# KiCad board untitled.kicad_pcb
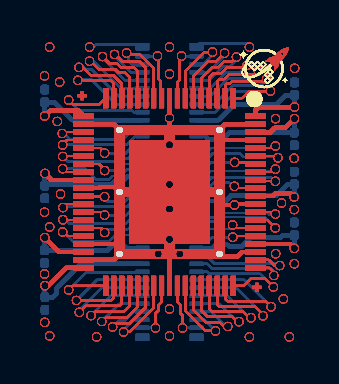
[diagram p0: board, top side]
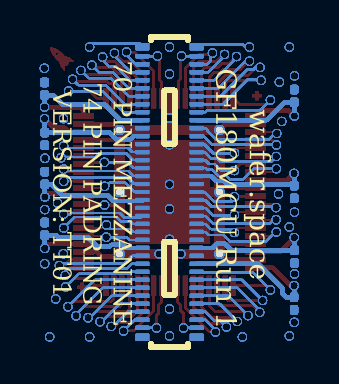
[diagram p1: board, bottom side, seen from below]

No outline. copper layers: Top, In1.Cu, In2.Cu, Bottom. Coordinates in mm from the lowest, leftmost part position.
Stack: Top 0.0175mm / dielectric 0.196mm FR4 er 4.5 / In1.Cu 0.035mm / dielectric 0.23mm FR4 er 4.5 / In2.Cu 0.035mm / dielectric 0.196mm FR4 er 4.5 / Bottom 0.0175mm

## Placement (name value [footprint] x y rotation side)
C101  C_Small  [C_0201_0603Metric]  0.02 0 270 bottom
C102  C_Small  [C_0201_0603Metric]  12.52 10.74 90 bottom
C103  C_Small  [C_0201_0603Metric]  0 2.34 270 bottom
C104  C_Small  [C_0201_0603Metric]  12.51 8.23 270 bottom
C105  C_Small  [C_0201_0603Metric]  0.01 5.58 270 bottom
C106  C_Small  [C_0201_0603Metric]  12.51 6.28 90 bottom
C107  C_Small  [C_0201_0603Metric]  0.01 10.39 90 bottom
C108  C_Small  [C_0201_0603Metric]  12.51 3.73 90 bottom
C109  C_Small  [C_0201_0603Metric]  0.02 0 270 bottom
C110  C_Small  [C_0201_0603Metric]  12.52 10.74 90 bottom
C111  C_Small  [C_0201_0603Metric]  0 2.34 270 bottom
C112  C_Small  [C_0201_0603Metric]  12.51 8.23 270 bottom
C113  C_Small  [C_0201_0603Metric]  0.01 5.58 270 bottom
C114  C_Small  [C_0201_0603Metric]  12.51 6.28 90 bottom
C115  C_Small  [C_0201_0603Metric]  0.01 10.39 90 bottom
C116  C_Small  [C_0201_0603Metric]  12.51 3.73 90 bottom
C117  C_Small  [C_0201_0603Metric]  0.02 0 270 bottom
C118  C_Small  [C_0201_0603Metric]  12.52 10.74 90 bottom
C119  C_Small  [C_0201_0603Metric]  0 2.34 270 bottom
C120  C_Small  [C_0201_0603Metric]  12.51 8.23 270 bottom
C121  C_Small  [C_0201_0603Metric]  0.01 5.58 270 bottom
C122  C_Small  [C_0201_0603Metric]  12.51 6.28 90 bottom
C123  C_Small  [C_0201_0603Metric]  0.01 10.39 90 bottom
C124  C_Small  [C_0201_0603Metric]  12.51 3.73 90 bottom
C125  C_Small  [C_0201_0603Metric]  0.02 0 270 bottom
C126  C_Small  [C_0201_0603Metric]  12.52 10.74 90 bottom
C127  C_Small  [C_0201_0603Metric]  0 2.34 270 bottom
C128  C_Small  [C_0201_0603Metric]  12.51 8.23 270 bottom
C129  C_Small  [C_0201_0603Metric]  0.01 5.58 270 bottom
C130  C_Small  [C_0201_0603Metric]  12.51 6.28 90 bottom
C131  C_Small  [C_0201_0603Metric]  0.01 10.39 90 bottom
C132  C_Small  [C_0201_0603Metric]  12.51 3.73 90 bottom
C133  C_Small  [C_0201_0603Metric]  0.02 0 270 bottom
C134  C_Small  [C_0201_0603Metric]  12.52 10.74 90 bottom
C135  C_Small  [C_0201_0603Metric]  0 2.34 270 bottom
C136  C_Small  [C_0201_0603Metric]  12.51 8.23 270 bottom
C137  C_Small  [C_0201_0603Metric]  0.01 5.58 270 bottom
C138  C_Small  [C_0201_0603Metric]  12.51 6.28 90 bottom
C139  C_Small  [C_0201_0603Metric]  0.01 10.39 90 bottom
C140  C_Small  [C_0201_0603Metric]  12.51 3.73 90 bottom
C141  C_Small  [C_0201_0603Metric]  0.02 0 270 bottom
C142  C_Small  [C_0201_0603Metric]  12.52 10.74 90 bottom
C143  C_Small  [C_0201_0603Metric]  0 2.34 270 bottom
C144  C_Small  [C_0201_0603Metric]  12.51 8.23 270 bottom
C145  C_Small  [C_0201_0603Metric]  0.01 5.58 270 bottom
C146  C_Small  [C_0201_0603Metric]  12.51 6.28 90 bottom
C147  C_Small  [C_0201_0603Metric]  0.01 10.39 90 bottom
C148  C_Small  [C_0201_0603Metric]  12.51 3.73 90 bottom
C149  C_Small  [C_0201_0603Metric]  0.02 0 270 bottom
C150  C_Small  [C_0201_0603Metric]  12.52 10.74 90 bottom
C151  C_Small  [C_0201_0603Metric]  0 2.34 270 bottom
C152  C_Small  [C_0201_0603Metric]  12.51 8.23 270 bottom
C153  C_Small  [C_0201_0603Metric]  0.01 5.58 270 bottom
C154  C_Small  [C_0201_0603Metric]  12.51 6.28 90 bottom
C155  C_Small  [C_0201_0603Metric]  0.01 10.39 90 bottom
C156  C_Small  [C_0201_0603Metric]  12.51 3.73 90 bottom
C157  C_Small  [C_0201_0603Metric]  0.02 0 270 bottom
C158  C_Small  [C_0201_0603Metric]  12.52 10.74 90 bottom
C159  C_Small  [C_0201_0603Metric]  0 2.34 270 bottom
C160  C_Small  [C_0201_0603Metric]  12.51 8.23 270 bottom
C161  C_Small  [C_0201_0603Metric]  0.01 5.58 270 bottom
C162  C_Small  [C_0201_0603Metric]  12.51 6.28 90 bottom
C163  C_Small  [C_0201_0603Metric]  0.01 10.39 90 bottom
C164  C_Small  [C_0201_0603Metric]  12.51 3.73 90 bottom
C165  C_Small  [C_0201_0603Metric]  0.02 0 270 bottom
C166  C_Small  [C_0201_0603Metric]  12.52 10.74 90 bottom
C167  C_Small  [C_0201_0603Metric]  0 2.34 270 bottom
C168  C_Small  [C_0201_0603Metric]  12.51 8.23 270 bottom
C169  C_Small  [C_0201_0603Metric]  0.01 5.58 270 bottom
C170  C_Small  [C_0201_0603Metric]  12.51 6.28 90 bottom
C171  C_Small  [C_0201_0603Metric]  0.01 10.39 90 bottom
C172  C_Small  [C_0201_0603Metric]  12.51 3.73 90 bottom
C173  C_Small  [C_0201_0603Metric]  0.02 0 270 bottom
C174  C_Small  [C_0201_0603Metric]  12.52 10.74 90 bottom
C175  C_Small  [C_0201_0603Metric]  0 2.34 270 bottom
C176  C_Small  [C_0201_0603Metric]  12.51 8.23 270 bottom
C177  C_Small  [C_0201_0603Metric]  0.01 5.58 270 bottom
C178  C_Small  [C_0201_0603Metric]  12.51 6.28 90 bottom
C179  C_Small  [C_0201_0603Metric]  0.01 10.39 90 bottom
C180  C_Small  [C_0201_0603Metric]  12.51 3.73 90 bottom
C181  C_Small  [C_0201_0603Metric]  0.02 0 270 bottom
C182  C_Small  [C_0201_0603Metric]  12.52 10.74 90 bottom
C183  C_Small  [C_0201_0603Metric]  0 2.34 270 bottom
C184  C_Small  [C_0201_0603Metric]  12.51 8.23 270 bottom
C185  C_Small  [C_0201_0603Metric]  0.01 5.58 270 bottom
C186  C_Small  [C_0201_0603Metric]  12.51 6.28 90 bottom
C187  C_Small  [C_0201_0603Metric]  0.01 10.39 90 bottom
C188  C_Small  [C_0201_0603Metric]  12.51 3.73 90 bottom
C189  C_Small  [C_0201_0603Metric]  0.02 0 270 bottom
C190  C_Small  [C_0201_0603Metric]  12.52 10.74 90 bottom
C191  C_Small  [C_0201_0603Metric]  0 2.34 270 bottom
C192  C_Small  [C_0201_0603Metric]  12.51 8.23 270 bottom
C193  C_Small  [C_0201_0603Metric]  0.01 5.58 270 bottom
C194  C_Small  [C_0201_0603Metric]  12.51 6.28 90 bottom
C195  C_Small  [C_0201_0603Metric]  0.01 10.39 90 bottom
C196  C_Small  [C_0201_0603Metric]  12.51 3.73 90 bottom
C197  C_Small  [C_0201_0603Metric]  0.02 0 270 bottom
C198  C_Small  [C_0201_0603Metric]  12.52 10.74 90 bottom
C199  C_Small  [C_0201_0603Metric]  0 2.34 270 bottom
C200  C_Small  [C_0201_0603Metric]  12.51 8.23 270 bottom
C201  C_Small  [C_0201_0603Metric]  0.01 5.58 270 bottom
C202  C_Small  [C_0201_0603Metric]  12.51 6.28 90 bottom
C203  C_Small  [C_0201_0603Metric]  0.01 10.39 90 bottom
C204  C_Small  [C_0201_0603Metric]  12.51 3.73 90 bottom
C205  C_Small  [C_0201_0603Metric]  0.02 0 270 bottom
C206  C_Small  [C_0201_0603Metric]  12.52 10.74 90 bottom
C207  C_Small  [C_0201_0603Metric]  0 2.34 270 bottom
C208  C_Small  [C_0201_0603Metric]  12.51 8.23 270 bottom
C209  C_Small  [C_0201_0603Metric]  0.01 5.58 270 bottom
C210  C_Small  [C_0201_0603Metric]  12.51 6.28 90 bottom
C211  C_Small  [C_0201_0603Metric]  0.01 10.39 90 bottom
C212  C_Small  [C_0201_0603Metric]  12.51 3.73 90 bottom
C213  C_Small  [C_0201_0603Metric]  0.02 0 270 bottom
C214  C_Small  [C_0201_0603Metric]  12.52 10.74 90 bottom
C215  C_Small  [C_0201_0603Metric]  0 2.34 270 bottom
C216  C_Small  [C_0201_0603Metric]  12.51 8.23 270 bottom
C217  C_Small  [C_0201_0603Metric]  0.01 5.58 270 bottom
C218  C_Small  [C_0201_0603Metric]  12.51 6.28 90 bottom
C219  C_Small  [C_0201_0603Metric]  0.01 10.39 90 bottom
C220  C_Small  [C_0201_0603Metric]  12.51 3.73 90 bottom
C221  C_Small  [C_0201_0603Metric]  0.02 0 270 bottom
C222  C_Small  [C_0201_0603Metric]  12.52 10.74 90 bottom
C223  C_Small  [C_0201_0603Metric]  0 2.34 270 bottom
C224  C_Small  [C_0201_0603Metric]  12.51 8.23 270 bottom
C225  C_Small  [C_0201_0603Metric]  0.01 5.58 270 bottom
C226  C_Small  [C_0201_0603Metric]  12.51 6.28 90 bottom
C227  C_Small  [C_0201_0603Metric]  0.01 10.39 90 bottom
C228  C_Small  [C_0201_0603Metric]  12.51 3.73 90 bottom
C229  C_Small  [C_0201_0603Metric]  0.02 0 270 bottom
C230  C_Small  [C_0201_0603Metric]  12.52 10.74 90 bottom
C231  C_Small  [C_0201_0603Metric]  0 2.34 270 bottom
C232  C_Small  [C_0201_0603Metric]  12.51 8.23 270 bottom
C233  C_Small  [C_0201_0603Metric]  0.01 5.58 270 bottom
C234  C_Small  [C_0201_0603Metric]  12.51 6.28 90 bottom
C235  C_Small  [C_0201_0603Metric]  0.01 10.39 90 bottom
C236  C_Small  [C_0201_0603Metric]  12.51 3.73 90 bottom
C237  C_Small  [C_0201_0603Metric]  0.02 0 270 bottom
C238  C_Small  [C_0201_0603Metric]  12.52 10.74 90 bottom
C239  C_Small  [C_0201_0603Metric]  0 2.34 270 bottom
C240  C_Small  [C_0201_0603Metric]  12.51 8.23 270 bottom
C241  C_Small  [C_0201_0603Metric]  0.01 5.58 270 bottom
C242  C_Small  [C_0201_0603Metric]  12.51 6.28 90 bottom
C243  C_Small  [C_0201_0603Metric]  0.01 10.39 90 bottom
C244  C_Small  [C_0201_0603Metric]  12.51 3.73 90 bottom
C245  C_Small  [C_0201_0603Metric]  0.02 0 270 bottom
C246  C_Small  [C_0201_0603Metric]  12.52 10.74 90 bottom
C247  C_Small  [C_0201_0603Metric]  0 2.34 270 bottom
C248  C_Small  [C_0201_0603Metric]  12.51 8.23 270 bottom
C249  C_Small  [C_0201_0603Metric]  0.01 5.58 270 bottom
C250  C_Small  [C_0201_0603Metric]  12.51 6.28 90 bottom
C251  C_Small  [C_0201_0603Metric]  0.01 10.39 90 bottom
C252  C_Small  [C_0201_0603Metric]  12.51 3.73 90 bottom
C253  C_Small  [C_0201_0603Metric]  0.02 0 270 bottom
C254  C_Small  [C_0201_0603Metric]  12.52 10.74 90 bottom
C255  C_Small  [C_0201_0603Metric]  0 2.34 270 bottom
C256  C_Small  [C_0201_0603Metric]  12.51 8.23 270 bottom
C257  C_Small  [C_0201_0603Metric]  0.01 5.58 270 bottom
C258  C_Small  [C_0201_0603Metric]  12.51 6.28 90 bottom
C259  C_Small  [C_0201_0603Metric]  0.01 10.39 90 bottom
C260  C_Small  [C_0201_0603Metric]  12.51 3.73 90 bottom
C261  C_Small  [C_0201_0603Metric]  0.02 0 270 bottom
C262  C_Small  [C_0201_0603Metric]  12.52 10.74 90 bottom
C263  C_Small  [C_0201_0603Metric]  0 2.34 270 bottom
C264  C_Small  [C_0201_0603Metric]  12.51 8.23 270 bottom
C265  C_Small  [C_0201_0603Metric]  0.01 5.58 270 bottom
C266  C_Small  [C_0201_0603Metric]  12.51 6.28 90 bottom
C267  C_Small  [C_0201_0603Metric]  0.01 10.39 90 bottom
C268  C_Small  [C_0201_0603Metric]  12.51 3.73 90 bottom
C269  C_Small  [C_0201_0603Metric]  0.02 0 270 bottom
C270  C_Small  [C_0201_0603Metric]  12.52 10.74 90 bottom
C271  C_Small  [C_0201_0603Metric]  0 2.34 270 bottom
C272  C_Small  [C_0201_0603Metric]  12.51 8.23 270 bottom
C273  C_Small  [C_0201_0603Metric]  0.01 5.58 270 bottom
C274  C_Small  [C_0201_0603Metric]  12.51 6.28 90 bottom
C275  C_Small  [C_0201_0603Metric]  0.01 10.39 90 bottom
C276  C_Small  [C_0201_0603Metric]  12.51 3.73 90 bottom
C277  C_Small  [C_0201_0603Metric]  0.02 0 270 bottom
C278  C_Small  [C_0201_0603Metric]  12.52 10.74 90 bottom
C279  C_Small  [C_0201_0603Metric]  0 2.34 270 bottom
C280  C_Small  [C_0201_0603Metric]  12.51 8.23 270 bottom
C281  C_Small  [C_0201_0603Metric]  0.01 5.58 270 bottom
C282  C_Small  [C_0201_0603Metric]  12.51 6.28 90 bottom
C283  C_Small  [C_0201_0603Metric]  0.01 10.39 90 bottom
C284  C_Small  [C_0201_0603Metric]  12.51 3.73 90 bottom
C285  C_Small  [C_0201_0603Metric]  0.02 0 270 bottom
C286  C_Small  [C_0201_0603Metric]  12.52 10.74 90 bottom
C287  C_Small  [C_0201_0603Metric]  0 2.34 270 bottom
C288  C_Small  [C_0201_0603Metric]  12.51 8.23 270 bottom
C289  C_Small  [C_0201_0603Metric]  0.01 5.58 270 bottom
C290  C_Small  [C_0201_0603Metric]  12.51 6.28 90 bottom
C291  C_Small  [C_0201_0603Metric]  0.01 10.39 90 bottom
C292  C_Small  [C_0201_0603Metric]  12.51 3.73 90 bottom
C293  C_Small  [C_0201_0603Metric]  0.02 0 270 bottom
C294  C_Small  [C_0201_0603Metric]  12.52 10.74 90 bottom
C295  C_Small  [C_0201_0603Metric]  0 2.34 270 bottom
C296  C_Small  [C_0201_0603Metric]  12.51 8.23 270 bottom
C297  C_Small  [C_0201_0603Metric]  0.01 5.58 270 bottom
C298  C_Small  [C_0201_0603Metric]  12.51 6.28 90 bottom
C299  C_Small  [C_0201_0603Metric]  0.01 10.39 90 bottom
C300  C_Small  [C_0201_0603Metric]  12.51 3.73 90 bottom
C301  C_Small  [C_0201_0603Metric]  0.02 0 270 bottom
C302  C_Small  [C_0201_0603Metric]  12.52 10.74 90 bottom
C303  C_Small  [C_0201_0603Metric]  0 2.34 270 bottom
C304  C_Small  [C_0201_0603Metric]  12.51 8.23 270 bottom
C305  C_Small  [C_0201_0603Metric]  0.01 5.58 270 bottom
C306  C_Small  [C_0201_0603Metric]  12.51 6.28 90 bottom
C307  C_Small  [C_0201_0603Metric]  0.01 10.39 90 bottom
C308  C_Small  [C_0201_0603Metric]  12.51 3.73 90 bottom
C309  C_Small  [C_0201_0603Metric]  0.02 0 270 bottom
C310  C_Small  [C_0201_0603Metric]  12.52 10.74 90 bottom
C311  C_Small  [C_0201_0603Metric]  0 2.34 270 bottom
C312  C_Small  [C_0201_0603Metric]  12.51 8.23 270 bottom
C313  C_Small  [C_0201_0603Metric]  0.01 5.58 270 bottom
C314  C_Small  [C_0201_0603Metric]  12.51 6.28 90 bottom
C315  C_Small  [C_0201_0603Metric]  0.01 10.39 90 bottom
C316  C_Small  [C_0201_0603Metric]  12.51 3.73 90 bottom
C317  C_Small  [C_0201_0603Metric]  0.02 0 270 bottom
C318  C_Small  [C_0201_0603Metric]  12.52 10.74 90 bottom
C319  C_Small  [C_0201_0603Metric]  0 2.34 270 bottom
C320  C_Small  [C_0201_0603Metric]  12.51 8.23 270 bottom
C321  C_Small  [C_0201_0603Metric]  0.01 5.58 270 bottom
C322  C_Small  [C_0201_0603Metric]  12.51 6.28 90 bottom
C323  C_Small  [C_0201_0603Metric]  0.01 10.39 90 bottom
C324  C_Small  [C_0201_0603Metric]  12.51 3.73 90 bottom
C325  C_Small  [C_0201_0603Metric]  0.02 0 270 bottom
C326  C_Small  [C_0201_0603Metric]  12.52 10.74 90 bottom
C327  C_Small  [C_0201_0603Metric]  0 2.34 270 bottom
C328  C_Small  [C_0201_0603Metric]  12.51 8.23 270 bottom
C329  C_Small  [C_0201_0603Metric]  0.01 5.58 270 bottom
C330  C_Small  [C_0201_0603Metric]  12.51 6.28 90 bottom
C331  C_Small  [C_0201_0603Metric]  0.01 10.39 90 bottom
C332  C_Small  [C_0201_0603Metric]  12.51 3.73 90 bottom
C333  C_Small  [C_0201_0603Metric]  0.02 0 270 bottom
C334  C_Small  [C_0201_0603Metric]  12.52 10.74 90 bottom
C335  C_Small  [C_0201_0603Metric]  0 2.34 270 bottom
C336  C_Small  [C_0201_0603Metric]  12.51 8.23 270 bottom
C337  C_Small  [C_0201_0603Metric]  0.01 5.58 270 bottom
C338  C_Small  [C_0201_0603Metric]  12.51 6.28 90 bottom
C339  C_Small  [C_0201_0603Metric]  0.01 10.39 90 bottom
C340  C_Small  [C_0201_0603Metric]  12.51 3.73 90 bottom
C341  C_Small  [C_0201_0603Metric]  0.02 0 270 bottom
C342  C_Small  [C_0201_0603Metric]  12.52 10.74 90 bottom
C343  C_Small  [C_0201_0603Metric]  0 2.34 270 bottom
C344  C_Small  [C_0201_0603Metric]  12.51 8.23 270 bottom
C345  C_Small  [C_0201_0603Metric]  0.01 5.58 270 bottom
C346  C_Small  [C_0201_0603Metric]  12.51 6.28 90 bottom
C347  C_Small  [C_0201_0603Metric]  0.01 10.39 90 bottom
C348  C_Small  [C_0201_0603Metric]  12.51 3.73 90 bottom
C349  C_Small  [C_0201_0603Metric]  0.02 0 270 bottom
C350  C_Small  [C_0201_0603Metric]  12.52 10.74 90 bottom
C351  C_Small  [C_0201_0603Metric]  0 2.34 270 bottom
C352  C_Small  [C_0201_0603Metric]  12.51 8.23 270 bottom
C353  C_Small  [C_0201_0603Metric]  0.01 5.58 270 bottom
C354  C_Small  [C_0201_0603Metric]  12.51 6.28 90 bottom
C355  C_Small  [C_0201_0603Metric]  0.01 10.39 90 bottom
C356  C_Small  [C_0201_0603Metric]  12.51 3.73 90 bottom
C357  C_Small  [C_0201_0603Metric]  0.02 0 270 bottom
C358  C_Small  [C_0201_0603Metric]  12.52 10.74 90 bottom
C359  C_Small  [C_0201_0603Metric]  0 2.34 270 bottom
C360  C_Small  [C_0201_0603Metric]  12.51 8.23 270 bottom
C361  C_Small  [C_0201_0603Metric]  0.01 5.58 270 bottom
C362  C_Small  [C_0201_0603Metric]  12.51 6.28 90 bottom
C363  C_Small  [C_0201_0603Metric]  0.01 10.39 90 bottom
C364  C_Small  [C_0201_0603Metric]  12.51 3.73 90 bottom
C365  C_Small  [C_0201_0603Metric]  0.02 0 270 bottom
C366  C_Small  [C_0201_0603Metric]  12.52 10.74 90 bottom
C367  C_Small  [C_0201_0603Metric]  0 2.34 270 bottom
C368  C_Small  [C_0201_0603Metric]  12.51 8.23 270 bottom
C369  C_Small  [C_0201_0603Metric]  0.01 5.58 270 bottom
C370  C_Small  [C_0201_0603Metric]  12.51 6.28 90 bottom
C371  C_Small  [C_0201_0603Metric]  0.01 10.39 90 bottom
C372  C_Small  [C_0201_0603Metric]  12.51 3.73 90 bottom
C373  C_Small  [C_0201_0603Metric]  0.02 0 270 bottom
C374  C_Small  [C_0201_0603Metric]  12.52 10.74 90 bottom
C375  C_Small  [C_0201_0603Metric]  0 2.34 270 bottom
C376  C_Small  [C_0201_0603Metric]  12.51 8.23 270 bottom
C377  C_Small  [C_0201_0603Metric]  0.01 5.58 270 bottom
C378  C_Small  [C_0201_0603Metric]  12.51 6.28 90 bottom
C379  C_Small  [C_0201_0603Metric]  0.01 10.39 90 bottom
C380  C_Small  [C_0201_0603Metric]  12.51 3.73 90 bottom
C381  C_Small  [C_0201_0603Metric]  0.02 0 270 bottom
C382  C_Small  [C_0201_0603Metric]  12.52 10.74 90 bottom
C383  C_Small  [C_0201_0603Metric]  0 2.34 270 bottom
C384  C_Small  [C_0201_0603Metric]  12.51 8.23 270 bottom
C385  C_Small  [C_0201_0603Metric]  0.01 5.58 270 bottom
C386  C_Small  [C_0201_0603Metric]  12.51 6.28 90 bottom
C387  C_Small  [C_0201_0603Metric]  0.01 10.39 90 bottom
C388  C_Small  [C_0201_0603Metric]  12.51 3.73 90 bottom
C389  C_Small  [C_0201_0603Metric]  0.02 0 270 bottom
C390  C_Small  [C_0201_0603Metric]  12.52 10.74 90 bottom
C391  C_Small  [C_0201_0603Metric]  0 2.34 270 bottom
C392  C_Small  [C_0201_0603Metric]  12.51 8.23 270 bottom
C393  C_Small  [C_0201_0603Metric]  0.01 5.58 270 bottom
C394  C_Small  [C_0201_0603Metric]  12.51 6.28 90 bottom
C395  C_Small  [C_0201_0603Metric]  0.01 10.39 90 bottom
C396  C_Small  [C_0201_0603Metric]  12.51 3.73 90 bottom
C397  C_Small  [C_0201_0603Metric]  0.02 0 270 bottom
C398  C_Small  [C_0201_0603Metric]  12.52 10.74 90 bottom
C399  C_Small  [C_0201_0603Metric]  0 2.34 270 bottom
C400  C_Small  [C_0201_0603Metric]  12.51 8.23 270 bottom
C401  C_Small  [C_0201_0603Metric]  0.01 5.58 270 bottom
C402  C_Small  [C_0201_0603Metric]  12.51 6.28 90 bottom
C403  C_Small  [C_0201_0603Metric]  0.01 10.39 90 bottom
C404  C_Small  [C_0201_0603Metric]  12.51 3.73 90 bottom
C405  C_Small  [C_0201_0603Metric]  0.02 0 270 bottom
C406  C_Small  [C_0201_0603Metric]  12.52 10.74 90 bottom
C407  C_Small  [C_0201_0603Metric]  0 2.34 270 bottom
C408  C_Small  [C_0201_0603Metric]  12.51 8.23 270 bottom
C409  C_Small  [C_0201_0603Metric]  0.01 5.58 270 bottom
C410  C_Small  [C_0201_0603Metric]  12.51 6.28 90 bottom
C411  C_Small  [C_0201_0603Metric]  0.01 10.39 90 bottom
C412  C_Small  [C_0201_0603Metric]  12.51 3.73 90 bottom
C413  C_Small  [C_0201_0603Metric]  0.02 0 270 bottom
C414  C_Small  [C_0201_0603Metric]  12.52 10.74 90 bottom
C415  C_Small  [C_0201_0603Metric]  0 2.34 270 bottom
C416  C_Small  [C_0201_0603Metric]  12.51 8.23 270 bottom
C417  C_Small  [C_0201_0603Metric]  0.01 5.58 270 bottom
C418  C_Small  [C_0201_0603Metric]  12.51 6.28 90 bottom
C419  C_Small  [C_0201_0603Metric]  0.01 10.39 90 bottom
C420  C_Small  [C_0201_0603Metric]  12.51 3.73 90 bottom
C421  C_Small  [C_0201_0603Metric]  0.02 0 270 bottom
C422  C_Small  [C_0201_0603Metric]  12.52 10.74 90 bottom
C423  C_Small  [C_0201_0603Metric]  0 2.34 270 bottom
C424  C_Small  [C_0201_0603Metric]  12.51 8.23 270 bottom
C425  C_Small  [C_0201_0603Metric]  0.01 5.58 270 bottom
C426  C_Small  [C_0201_0603Metric]  12.51 6.28 90 bottom
C427  C_Small  [C_0201_0603Metric]  0.01 10.39 90 bottom
C428  C_Small  [C_0201_0603Metric]  12.51 3.73 90 bottom
C429  C_Small  [C_0201_0603Metric]  0.02 0 270 bottom
C430  C_Small  [C_0201_0603Metric]  12.52 10.74 90 bottom
C431  C_Small  [C_0201_0603Metric]  0 2.34 270 bottom
C432  C_Small  [C_0201_0603Metric]  12.51 8.23 270 bottom
C433  C_Small  [C_0201_0603Metric]  0.01 5.58 270 bottom
C434  C_Small  [C_0201_0603Metric]  12.51 6.28 90 bottom
C435  C_Small  [C_0201_0603Metric]  0.01 10.39 90 bottom
C436  C_Small  [C_0201_0603Metric]  12.51 3.73 90 bottom
G***  LOGO  [waferspace_pin1_silk]  11.05 11.89 0 top
G***1  LOGO  [waferspace_pin1_silk]  11.05 11.89 0 top
G***2  LOGO  [waferspace_pin1_silk]  11.05 11.89 0 top
G***3  LOGO  [waferspace_pin1_silk]  11.05 11.89 0 top
G***4  LOGO  [waferspace_pin1_silk]  11.05 11.89 0 top
G***5  LOGO  [waferspace_pin1_silk]  11.05 11.89 0 top
G***6  LOGO  [waferspace_pin1_silk]  11.05 11.89 0 top
G***7  LOGO  [waferspace_pin1_silk]  11.05 11.89 0 top
G***8  LOGO  [waferspace_pin1_silk]  11.05 11.89 0 top
G***9  LOGO  [waferspace_pin1_silk]  11.05 11.89 0 top
G***10  LOGO  [waferspace_pin1_silk]  11.05 11.89 0 top
G***11  LOGO  [waferspace_pin1_silk]  11.05 11.89 0 top
G***12  LOGO  [waferspace_pin1_silk]  11.05 11.89 0 top
G***13  LOGO  [waferspace_pin1_silk]  11.05 11.89 0 top
G***14  LOGO  [waferspace_pin1_silk]  11.05 11.89 0 top
G***15  LOGO  [waferspace_pin1_silk]  11.05 11.89 0 top
G***16  LOGO  [waferspace_pin1_silk]  11.05 11.89 0 top
G***17  LOGO  [waferspace_pin1_silk]  11.05 11.89 0 top
G***18  LOGO  [waferspace_pin1_silk]  11.05 11.89 0 top
G***19  LOGO  [waferspace_pin1_silk]  11.05 11.89 0 top
G***20  LOGO  [waferspace_pin1_silk]  11.05 11.89 0 top
G***21  LOGO  [waferspace_pin1_silk]  11.05 11.89 0 top
G***22  LOGO  [waferspace_pin1_silk]  11.05 11.89 0 top
G***23  LOGO  [waferspace_pin1_silk]  11.05 11.89 0 top
G***24  LOGO  [waferspace_pin1_silk]  11.05 11.89 0 top
G***25  LOGO  [waferspace_pin1_silk]  11.05 11.89 0 top
G***26  LOGO  [waferspace_pin1_silk]  11.05 11.89 0 top
G***27  LOGO  [waferspace_pin1_silk]  11.05 11.89 0 top
G***28  LOGO  [waferspace_pin1_silk]  11.05 11.89 0 top
G***29  LOGO  [waferspace_pin1_silk]  11.05 11.89 0 top
G***30  LOGO  [waferspace_pin1_silk]  11.05 11.89 0 top
G***31  LOGO  [waferspace_pin1_silk]  11.05 11.89 0 top
G***32  LOGO  [waferspace_pin1_silk]  11.05 11.89 0 top
G***33  LOGO  [waferspace_pin1_silk]  11.05 11.89 0 top
G***34  LOGO  [waferspace_pin1_silk]  11.05 11.89 0 top
G***35  LOGO  [waferspace_pin1_silk]  11.05 11.89 0 top
G***36  LOGO  [waferspace_pin1_silk]  11.05 11.89 0 top
G***37  LOGO  [waferspace_pin1_silk]  11.05 11.89 0 top
G***38  LOGO  [waferspace_pin1_silk]  11.05 11.89 0 top
G***39  LOGO  [waferspace_pin1_silk]  11.05 11.89 0 top
G***40  LOGO  [waferspace_pin1_silk]  11.05 11.89 0 top
G***41  LOGO  [waferspace_pin1_silk]  11.05 11.89 0 top
J101  Conn_02x35_Counter_Clockwise_MountingPin  [CONN-SMD_70P-P0.40_HCTL_HC-PBB40C-70DP-0.4V-02]  6.26 5.58 270 bottom
J102  Conn_2Rows-76Pins  [waferspace_default_padring_v0.2]  6.26 5.58 180 top
J103  Conn_02x35_Counter_Clockwise_MountingPin  [CONN-SMD_70P-P0.40_HCTL_HC-PBB40C-70DP-0.4V-02]  6.26 5.58 270 bottom
J104  Conn_2Rows-76Pins  [waferspace_default_padring_v0.2]  6.26 5.58 180 top
J105  Conn_02x35_Counter_Clockwise_MountingPin  [CONN-SMD_70P-P0.40_HCTL_HC-PBB40C-70DP-0.4V-02]  6.26 5.58 270 bottom
J106  Conn_2Rows-76Pins  [waferspace_default_padring_v0.2]  6.26 5.58 180 top
J107  Conn_02x35_Counter_Clockwise_MountingPin  [CONN-SMD_70P-P0.40_HCTL_HC-PBB40C-70DP-0.4V-02]  6.26 5.58 270 bottom
J108  Conn_2Rows-76Pins  [waferspace_default_padring_v0.2]  6.26 5.58 180 top
J109  Conn_02x35_Counter_Clockwise_MountingPin  [CONN-SMD_70P-P0.40_HCTL_HC-PBB40C-70DP-0.4V-02]  6.26 5.58 270 bottom
J110  Conn_2Rows-76Pins  [waferspace_default_padring_v0.2]  6.26 5.58 180 top
J111  Conn_02x35_Counter_Clockwise_MountingPin  [CONN-SMD_70P-P0.40_HCTL_HC-PBB40C-70DP-0.4V-02]  6.26 5.58 270 bottom
J112  Conn_2Rows-76Pins  [waferspace_default_padring_v0.2]  6.26 5.58 180 top
J113  Conn_02x35_Counter_Clockwise_MountingPin  [CONN-SMD_70P-P0.40_HCTL_HC-PBB40C-70DP-0.4V-02]  6.26 5.58 270 bottom
J114  Conn_2Rows-76Pins  [waferspace_default_padring_v0.2]  6.26 5.58 180 top
J115  Conn_02x35_Counter_Clockwise_MountingPin  [CONN-SMD_70P-P0.40_HCTL_HC-PBB40C-70DP-0.4V-02]  6.26 5.58 270 bottom
J116  Conn_2Rows-76Pins  [waferspace_default_padring_v0.2]  6.26 5.58 180 top
J117  Conn_02x35_Counter_Clockwise_MountingPin  [CONN-SMD_70P-P0.40_HCTL_HC-PBB40C-70DP-0.4V-02]  6.26 5.58 270 bottom
J118  Conn_2Rows-76Pins  [waferspace_default_padring_v0.2]  6.26 5.58 180 top
J119  Conn_02x35_Counter_Clockwise_MountingPin  [CONN-SMD_70P-P0.40_HCTL_HC-PBB40C-70DP-0.4V-02]  6.26 5.58 270 bottom
J120  Conn_2Rows-76Pins  [waferspace_default_padring_v0.2]  6.26 5.58 180 top
J121  Conn_02x35_Counter_Clockwise_MountingPin  [CONN-SMD_70P-P0.40_HCTL_HC-PBB40C-70DP-0.4V-02]  6.26 5.58 270 bottom
J122  Conn_2Rows-76Pins  [waferspace_default_padring_v0.2]  6.26 5.58 180 top
J123  Conn_02x35_Counter_Clockwise_MountingPin  [CONN-SMD_70P-P0.40_HCTL_HC-PBB40C-70DP-0.4V-02]  6.26 5.58 270 bottom
J124  Conn_2Rows-76Pins  [waferspace_default_padring_v0.2]  6.26 5.58 180 top
J125  Conn_02x35_Counter_Clockwise_MountingPin  [CONN-SMD_70P-P0.40_HCTL_HC-PBB40C-70DP-0.4V-02]  6.26 5.58 270 bottom
J126  Conn_2Rows-76Pins  [waferspace_default_padring_v0.2]  6.26 5.58 180 top
J127  Conn_02x35_Counter_Clockwise_MountingPin  [CONN-SMD_70P-P0.40_HCTL_HC-PBB40C-70DP-0.4V-02]  6.26 5.58 270 bottom
J128  Conn_2Rows-76Pins  [waferspace_default_padring_v0.2]  6.26 5.58 180 top